# KiCad board DIP8breakout+potToUSB.kicad_pcb (continued)
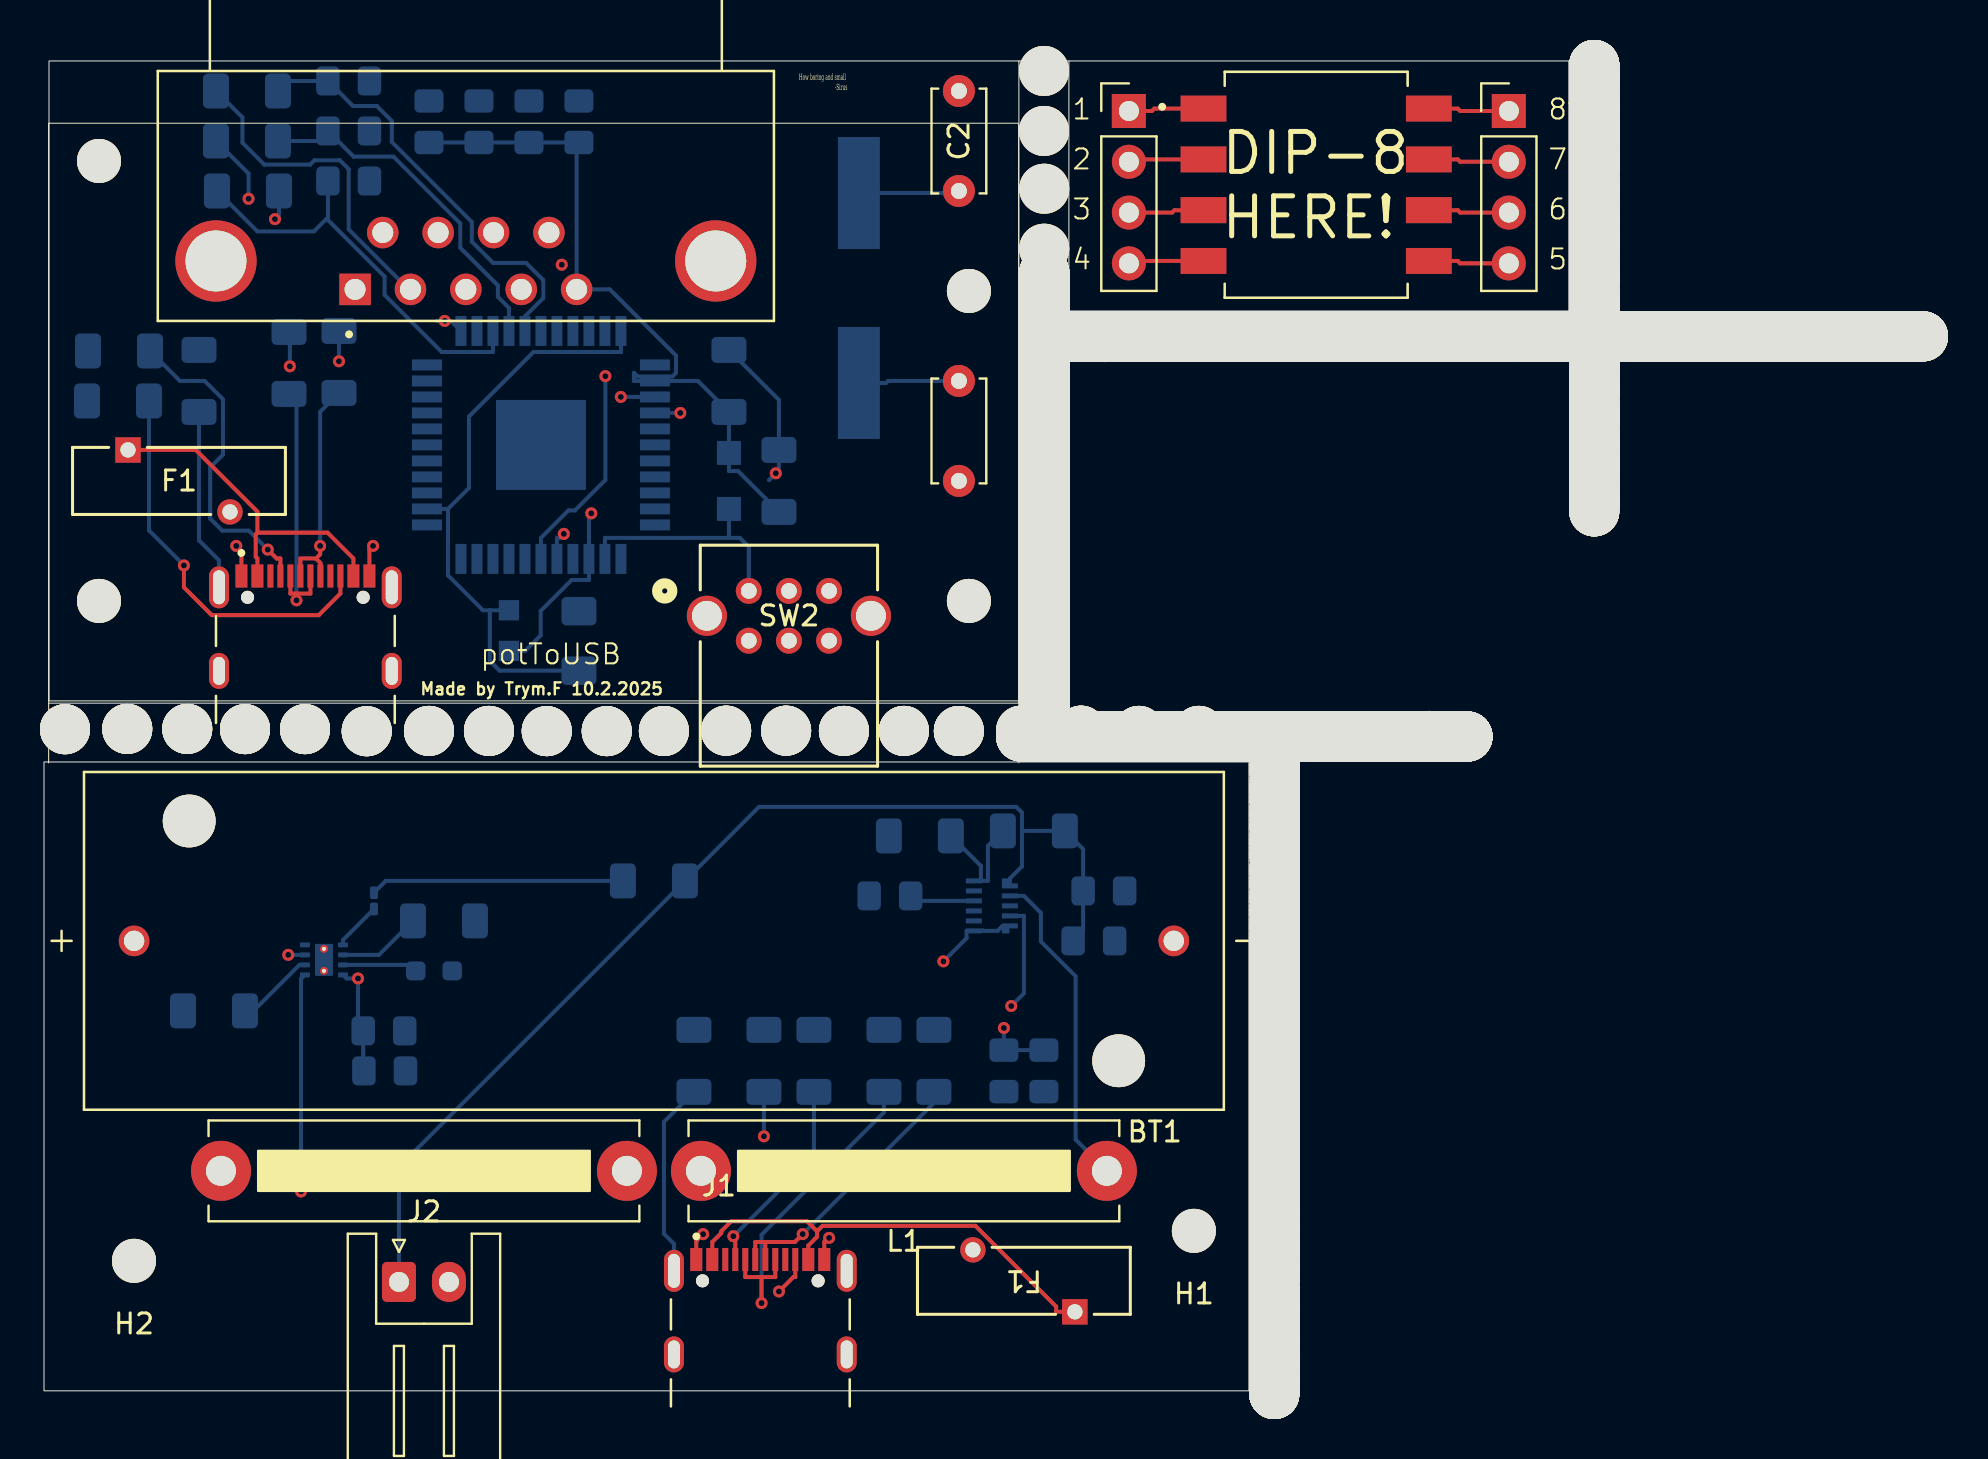
[diagram p0: board, top side]
## Placement (name value [footprint] x y rotation side) (continued)
H10#237  MountingHole  [MountingHole_2.5mm]  61.55 27.17 180 bottom
H10#238  MountingHole  [MountingHole_2.5mm]  61.52 5.06 0 bottom
H10#239  MountingHole  [MountingHole_2.5mm]  50.02 37.75 180 bottom
H10#240  MountingHole  [MountingHole_2.5mm]  77.52 49 180 bottom
H10#241  MountingHole  [MountingHole_2.5mm]  50.02 50.27 180 bottom
H10#242  MountingHole  [MountingHole_2.5mm]  77.52 55.44 180 bottom
H10#243  MountingHole  [MountingHole_2.5mm]  58.36 52.73 270 bottom
H10#244  MountingHole  [MountingHole_2.5mm]  61.55 9.81 180 bottom
H10#245  MountingHole  [MountingHole_2.5mm]  60.98 32.72 90 bottom
H10#246  MountingHole  [MountingHole_2.5mm]  73.44 52.73 270 bottom
H10#247  MountingHole  [MountingHole_2.5mm]  59.52 32.72 90 bottom
H10#248  MountingHole  [MountingHole_2.5mm]  68.92 32.72 90 bottom
H10#249  MountingHole  [MountingHole_2.5mm]  62.38 32.72 90 bottom
H10#250  MountingHole  [MountingHole_2.5mm]  54.74 52.73 270 bottom
H10#251  MountingHole  [MountingHole_2.5mm]  50.02 39.23 180 bottom
H10#252  MountingHole  [MountingHole_2.5mm]  61.52 7.94 0 bottom
H10#253  MountingHole  [MountingHole_2.5mm]  74.3 52.73 270 bottom
H10#254  MountingHole  [MountingHole_2.5mm]  49.72 32.72 90 bottom
H10#255  MountingHole  [MountingHole_2.5mm]  50.02 36.05 180 bottom
H10#256  MountingHole  [MountingHole_2.5mm]  77.52 58.86 180 bottom
H10#257  MountingHole  [MountingHole_2.5mm]  61.52 8.9 0 bottom
H10#258  MountingHole  [MountingHole_2.5mm]  64.28 32.72 90 bottom
H10#259  MountingHole  [MountingHole_2.5mm]  50.02 45.25 180 bottom
H10#260  MountingHole  [MountingHole_2.5mm]  77.52 51.22 180 bottom
H10#261  MountingHole  [MountingHole_2.5mm]  61.55 17.25 180 bottom
H10#262  MountingHole  [MountingHole_2.5mm]  65.54 52.73 270 bottom
H10#263  MountingHole  [MountingHole_2.5mm]  72.04 52.73 270 bottom
H10#264  MountingHole  [MountingHole_2.5mm]  61.55 26.71 180 bottom
H10#265  MountingHole  [MountingHole_2.5mm]  77.52 61.08 180 bottom
H10#266  MountingHole  [MountingHole_2.5mm]  50.02 46.45 180 bottom
H10#267  MountingHole  [MountingHole_2.5mm]  71.84 52.73 270 bottom
H10#268  MountingHole  [MountingHole_2.5mm]  61.52 7.28 0 bottom
H10#269  MountingHole  [MountingHole_2.5mm]  50.02 50.07 180 bottom
H10#270  MountingHole  [MountingHole_2.5mm]  63.54 32.72 90 bottom
H10#271  MountingHole  [MountingHole_2.5mm]  61.52 4.2 0 bottom
H10#272  MountingHole  [MountingHole_2.5mm]  61.55 25.89 180 bottom
H10#273  MountingHole  [MountingHole_2.5mm]  53.88 32.72 90 bottom
H10#274  MountingHole  [MountingHole_2.5mm]  63.74 32.72 90 bottom
H10#275  MountingHole  [MountingHole_2.5mm]  69.38 32.72 90 bottom
H10#276  MountingHole  [MountingHole_2.5mm]  58.02 52.73 270 bottom
H10#277  MountingHole  [MountingHole_2.5mm]  50.02 40.29 180 bottom
H10#278  MountingHole  [MountingHole_2.5mm]  61.55 18.87 180 bottom
H10#279  MountingHole  [MountingHole_2.5mm]  86.72 52.73 270 bottom
H10#280  MountingHole  [MountingHole_2.5mm]  61.55 21.73 180 bottom
H10#281  MountingHole  [MountingHole_2.5mm]  50.02 33.79 180 bottom
H10#282  MountingHole  [MountingHole_2.5mm]  61.52 7.74 0 bottom
H10#283  MountingHole  [MountingHole_2.5mm]  63.24 52.73 270 bottom
H10#284  MountingHole  [MountingHole_2.5mm]  50.02 45.25 180 bottom
H10#285  MountingHole  [MountingHole_2.5mm]  68.42 52.73 270 bottom
H10#286  MountingHole  [MountingHole_2.5mm]  90.6 52.73 270 bottom
H10#287  MountingHole  [MountingHole_2.5mm]  59.52 52.73 270 bottom
H10#288  MountingHole  [MountingHole_2.5mm]  61.52 6.34 0 bottom
H10#289  MountingHole  [MountingHole_2.5mm]  54.7 32.72 90 bottom
H10#290  MountingHole  [MountingHole_2.5mm]  77.52 61.48 180 bottom
H10#291  MountingHole  [MountingHole_2.5mm]  61.52 2.3 0 bottom
H10#292  MountingHole  [MountingHole_2.5mm]  59.32 32.72 90 bottom
H10#293  MountingHole  [MountingHole_2.5mm]  60.58 52.73 270 bottom
H10#294  MountingHole  [MountingHole_2.5mm]  61.52 10.7 0 bottom
H10#295  MountingHole  [MountingHole_2.5mm]  76 52.73 270 bottom
H10#296  MountingHole  [MountingHole_2.5mm]  77.52 53.98 180 bottom
H10#297  MountingHole  [MountingHole_2.5mm]  61.55 10.67 180 bottom
H10#298  MountingHole  [MountingHole_2.5mm]  78.14 52.73 270 bottom
H10#299  MountingHole  [MountingHole_2.5mm]  61.52 20.56 0 bottom
H10#300  MountingHole  [MountingHole_2.5mm]  61.55 18.21 180 bottom
H10#301  MountingHole  [MountingHole_2.5mm]  67.8 52.73 270 bottom
H10#302  MountingHole  [MountingHole_2.5mm]  61.55 28.31 180 bottom
H10#303  MountingHole  [MountingHole_2.5mm]  67.36 32.72 90 bottom
H10#304  MountingHole  [MountingHole_2.5mm]  70.32 32.72 90 bottom
H10#305  MountingHole  [MountingHole_2.5mm]  92.36 52.73 270 bottom
H10#306  MountingHole  [MountingHole_2.5mm]  50.02 33.79 180 bottom
H10#307  MountingHole  [MountingHole_2.5mm]  59.22 52.73 270 bottom
H10#308  MountingHole  [MountingHole_2.5mm]  61.55 19.81 180 bottom
H10#309  MountingHole  [MountingHole_2.5mm]  91.96 52.73 270 bottom
H10#310  MountingHole  [MountingHole_2.5mm]  79.54 52.73 270 bottom
H10#311  MountingHole  [MountingHole_2.5mm]  88.94 52.73 270 bottom
H10#312  MountingHole  [MountingHole_2.5mm]  59.06 32.72 90 bottom
H10#313  MountingHole  [MountingHole_2.5mm]  61.52 19 0 bottom
H10#314  MountingHole  [MountingHole_2.5mm]  28.14 32.99 90 bottom
H10#315  MountingHole  [MountingHole_2.5mm]  61.52 6.54 0 bottom
H10#316  MountingHole  [MountingHole_2.5mm]  52.68 32.72 90 bottom
H10#317  MountingHole  [MountingHole_2.5mm]  61.52 15.46 0 bottom
H10#318  MountingHole  [MountingHole_2.5mm]  70.78 32.72 90 bottom
H10#319  MountingHole  [MountingHole_2.5mm]  66.54 52.73 270 bottom
H10#320  MountingHole  [MountingHole_2.5mm]  67.16 32.72 90 bottom
H10#321  MountingHole  [MountingHole_2.5mm]  70.98 32.72 90 bottom
H10#322  MountingHole  [MountingHole_2.5mm]  61.55 30.87 180 bottom
H10#323  MountingHole  [MountingHole_2.5mm]  50.02 41.69 180 bottom
H10#324  MountingHole  [MountingHole_2.5mm]  61.55 23.13 180 bottom
H10#325  MountingHole  [MountingHole_2.5mm]  86.06 52.73 270 bottom
H10#326  MountingHole  [MountingHole_2.5mm]  62.58 52.73 270 bottom
H10#327  MountingHole  [MountingHole_2.5mm]  77.52 57.3 180 bottom
H10#328  MountingHole  [MountingHole_2.5mm]  61.55 18.41 180 bottom
H10#329  MountingHole  [MountingHole_2.5mm]  61.52 18 0 bottom
H10#330  MountingHole  [MountingHole_2.5mm]  77.52 48.14 180 bottom
H10#331  MountingHole  [MountingHole_2.5mm]  77.52 63.64 180 bottom
H10#332  MountingHole  [MountingHole_2.5mm]  70.12 32.72 90 bottom
H10#333  MountingHole  [MountingHole_2.5mm]  72.5 52.73 270 bottom
H10#334  MountingHole  [MountingHole_2.5mm]  43 33 90 bottom
H10#335  MountingHole  [MountingHole_2.5mm]  85.36 52.73 270 bottom
H10#336  MountingHole  [MountingHole_2.5mm]  50.02 40.63 180 bottom
H10#337  MountingHole  [MountingHole_2.5mm]  87.46 52.73 270 bottom
H10#338  MountingHole  [MountingHole_2.5mm]  61.52 8.24 0 bottom
H10#339  MountingHole  [MountingHole_2.5mm]  61.52 18.8 0 bottom
H10#340  MountingHole  [MountingHole_2.5mm]  54.08 52.73 270 bottom
H10#341  MountingHole  [MountingHole_2.5mm]  50.02 51.35 180 bottom
H10#342  MountingHole  [MountingHole_2.5mm]  61.55 10.47 180 bottom
H10#343  MountingHole  [MountingHole_2.5mm]  50.02 38.81 180 bottom
H10#344  MountingHole  [MountingHole_2.5mm]  77.52 45.58 180 bottom
H10#345  MountingHole  [MountingHole_2.5mm]  77.52 57.7 180 bottom
H10#346  MountingHole  [MountingHole_2.5mm]  77.52 48.34 180 bottom
H10#347  MountingHole  [MountingHole_2.5mm]  50.02 52.09 180 bottom
H10#348  MountingHole  [MountingHole_2.5mm]  91.5 52.73 270 bottom
H10#349  MountingHole  [MountingHole_2.5mm]  61.52 12.9 0 bottom
H10#350  MountingHole  [MountingHole_2.5mm]  57.66 32.72 90 bottom
H10#351  MountingHole  [MountingHole_2.5mm]  63.08 32.72 90 bottom
H10#352  MountingHole  [MountingHole_2.5mm]  50.02 55.05 180 bottom
H10#353  MountingHole  [MountingHole_2.5mm]  77.52 61.94 180 bottom
H10#354  MountingHole  [MountingHole_2.5mm]  77.52 51.42 180 bottom
H10#355  MountingHole  [MountingHole_2.5mm]  61.55 16.85 180 bottom
H10#356  MountingHole  [MountingHole_2.5mm]  61.55 30.33 180 bottom
H10#357  MountingHole  [MountingHole_2.5mm]  50.02 54.31 180 bottom
H10#358  MountingHole  [MountingHole_2.5mm]  50.02 48.47 180 bottom
H10#359  MountingHole  [MountingHole_2.5mm]  77.52 50.48 180 bottom
H10#360  MountingHole  [MountingHole_2.5mm]  77.52 53.98 180 bottom
H10#361  MountingHole  [MountingHole_2.5mm]  50.02 55.71 180 bottom
H10#362  MountingHole  [MountingHole_2.5mm]  61.55 11.61 180 bottom
H10#363  MountingHole  [MountingHole_2.5mm]  77.52 59.6 180 bottom
H10#364  MountingHole  [MountingHole_2.5mm]  85.66 52.73 270 bottom
H10#365  MountingHole  [MountingHole_2.5mm]  55.88 52.73 270 bottom
H10#366  MountingHole  [MountingHole_2.5mm]  77.52 60.88 180 bottom
H10#367  MountingHole  [MountingHole_2.5mm]  61.52 4.86 0 bottom
H10#368  MountingHole  [MountingHole_2.5mm]  61.52 2.3 0 bottom
H10#369  MountingHole  [MountingHole_2.5mm]  61.55 13.77 180 bottom
H10#370  MountingHole  [MountingHole_2.5mm]  76.86 52.73 270 bottom
H10#371  MountingHole  [MountingHole_2.5mm]  86.72 52.73 270 bottom
H10#372  MountingHole  [MountingHole_2.5mm]  56.14 52.73 270 bottom
H10#373  MountingHole  [MountingHole_2.5mm]  91 52.73 270 bottom
H10#374  MountingHole  [MountingHole_2.5mm]  85.86 52.73 270 bottom
H10#375  MountingHole  [MountingHole_2.5mm]  61.55 11.87 180 bottom
H10#376  MountingHole  [MountingHole_2.5mm]  61.52 7.48 0 bottom
H10#377  MountingHole  [MountingHole_2.5mm]  61.52 18.54 0 bottom
H10#378  MountingHole  [MountingHole_2.5mm]  72.38 52.73 270 bottom
H10#379  MountingHole  [MountingHole_2.5mm]  87.72 52.73 270 bottom
H10#380  MountingHole  [MountingHole_2.5mm]  62.58 32.72 90 bottom
H10#381  MountingHole  [MountingHole_2.5mm]  50.02 49.01 180 bottom
H10#382  MountingHole  [MountingHole_2.5mm]  61.55 26.29 180 bottom
H10#383  MountingHole  [MountingHole_2.5mm]  61.52 12.16 0 bottom
H10#384  MountingHole  [MountingHole_2.5mm]  63.28 32.72 90 bottom
H10#385  MountingHole  [MountingHole_2.5mm]  91.2 52.73 270 bottom
H10#386  MountingHole  [MountingHole_2.5mm]  92.36 52.73 270 bottom
H10#387  MountingHole  [MountingHole_2.5mm]  63.64 52.73 270 bottom
H10#388  MountingHole  [MountingHole_2.5mm]  52.72 52.73 270 bottom
H10#389  MountingHole  [MountingHole_2.5mm]  61.55 23.13 180 bottom
H10#390  MountingHole  [MountingHole_2.5mm]  89.94 52.73 270 bottom
H10#391  MountingHole  [MountingHole_2.5mm]  50.02 36.55 180 bottom
H10#392  MountingHole  [MountingHole_2.5mm]  61.55 24.23 180 bottom
H10#393  MountingHole  [MountingHole_2.5mm]  61.52 18.74 0 bottom
H10#394  MountingHole  [MountingHole_2.5mm]  50.02 43.05 180 bottom
H10#395  MountingHole  [MountingHole_2.5mm]  61.55 31.27 180 bottom
H10#396  MountingHole  [MountingHole_2.5mm]  50.02 37.21 180 bottom
H10#397  MountingHole  [MountingHole_2.5mm]  61.55 15.91 180 bottom
H10#398  MountingHole  [MountingHole_2.5mm]  52.92 52.73 270 bottom
H10#399  MountingHole  [MountingHole_2.5mm]  50.02 53.65 180 bottom
H10#400  MountingHole  [MountingHole_2.5mm]  61.55 11.21 180 bottom
H10#401  MountingHole  [MountingHole_2.5mm]  77.52 48.34 180 bottom
H10#402  MountingHole  [MountingHole_2.5mm]  61.52 21.96 0 bottom
H10#403  MountingHole  [MountingHole_2.5mm]  66.42 32.72 90 bottom
H10#404  MountingHole  [MountingHole_2.5mm]  58.36 52.73 270 bottom
H10#405  MountingHole  [MountingHole_2.5mm]  61.52 16.94 0 bottom
H10#406  MountingHole  [MountingHole_2.5mm]  77.52 57.7 180 bottom
H10#407  MountingHole  [MountingHole_2.5mm]  61.55 16.51 180 bottom
H10#408  MountingHole  [MountingHole_2.5mm]  61.55 18.87 180 bottom
H10#409  MountingHole  [MountingHole_2.5mm]  60.38 52.73 270 bottom
H10#410  MountingHole  [MountingHole_2.5mm]  61.55 12.97 180 bottom
H10#411  MountingHole  [MountingHole_2.5mm]  61.52 16.74 0 bottom
H10#412  MountingHole  [MountingHole_2.5mm]  61.52 0.24 0 bottom
H10#413  MountingHole  [MountingHole_2.5mm]  75.8 52.73 270 bottom
H10#414  MountingHole  [MountingHole_2.5mm]  54.5 32.72 90 bottom
H10#415  MountingHole  [MountingHole_2.5mm]  65.96 32.72 90 bottom
H10#416  MountingHole  [MountingHole_2.5mm]  61.55 23.83 180 bottom
H10#417  MountingHole  [MountingHole_2.5mm]  57.75 33 90 bottom
H10#418  MountingHole  [MountingHole_2.5mm]  50.02 53.25 180 bottom
H10#419  MountingHole  [MountingHole_2.5mm]  61.52 1.44 0 bottom
H10#420  MountingHole  [MountingHole_2.5mm]  76.86 52.73 270 bottom
H10#421  MountingHole  [MountingHole_2.5mm]  77.52 65.44 180 bottom
H10#422  MountingHole  [MountingHole_2.5mm]  61.55 10.01 180 bottom
H10#423  MountingHole  [MountingHole_2.5mm]  61.52 3.46 0 bottom
H10#424  MountingHole  [MountingHole_2.5mm]  64.48 32.72 90 bottom
H10#425  MountingHole  [MountingHole_2.5mm]  64.18 52.73 270 bottom
H10#426  MountingHole  [MountingHole_2.5mm]  50.02 43.39 180 bottom
H10#427  MountingHole  [MountingHole_2.5mm]  77.52 51.62 180 bottom
H10#428  MountingHole  [MountingHole_2.5mm]  61.52 20.1 0 bottom
H10#429  MountingHole  [MountingHole_2.5mm]  50.02 35.19 180 bottom
H10#430  MountingHole  [MountingHole_2.5mm]  77.52 47.8 180 bottom
H10#431  MountingHole  [MountingHole_2.5mm]  54.08 32.72 90 bottom
H10#432  MountingHole  [MountingHole_2.5mm]  56.5 32.72 90 bottom
H10#433  MountingHole  [MountingHole_2.5mm]  61.55 19.61 180 bottom
H10#434  MountingHole  [MountingHole_2.5mm]  61.52 7.08 0 bottom
H10#435  MountingHole  [MountingHole_2.5mm]  61.55 20.07 180 bottom
H10#436  MountingHole  [MountingHole_2.5mm]  61.52 14.92 0 bottom
H10#437  MountingHole  [MountingHole_2.5mm]  61.52 9.1 0 bottom
H10#438  MountingHole  [MountingHole_2.5mm]  71.84 52.73 270 bottom
H10#439  MountingHole  [MountingHole_2.5mm]  61.55 27.11 180 bottom
H10#440  MountingHole  [MountingHole_2.5mm]  61.55 14.63 180 bottom
H10#441  MountingHole  [MountingHole_2.5mm]  50.02 34.45 180 bottom
H10#442  MountingHole  [MountingHole_2.5mm]  61.55 23.53 180 bottom
H10#443  MountingHole  [MountingHole_2.5mm]  54.28 52.73 270 bottom
H10#444  MountingHole  [MountingHole_2.5mm]  61.52 10.04 0 bottom
H10#445  MountingHole  [MountingHole_2.5mm]  55.56 32.72 90 bottom
H10#446  MountingHole  [MountingHole_2.5mm]  50.02 43.05 180 bottom
H10#447  MountingHole  [MountingHole_2.5mm]  54.28 52.73 270 bottom
H10#448  MountingHole  [MountingHole_2.5mm]  79.08 52.73 270 bottom
H10#449  MountingHole  [MountingHole_2.5mm]  81.1 52.73 270 bottom
H10#450  MountingHole  [MountingHole_2.5mm]  78.14 52.73 270 bottom
H10#451  MountingHole  [MountingHole_2.5mm]  63.44 52.73 270 bottom
H10#452  MountingHole  [MountingHole_2.5mm]  61.52 19.9 0 bottom
H10#453  MountingHole  [MountingHole_2.5mm]  52.18 52.73 270 bottom
H10#454  MountingHole  [MountingHole_2.5mm]  65.96 32.72 90 bottom
H10#455  MountingHole  [MountingHole_2.5mm]  50.02 53.45 180 bottom
H10#456  MountingHole  [MountingHole_2.5mm]  65.54 32.72 90 bottom
H10#457  MountingHole  [MountingHole_2.5mm]  52.02 32.72 90 bottom
H10#458  MountingHole  [MountingHole_2.5mm]  68.72 32.72 90 bottom
H10#459  MountingHole  [MountingHole_2.5mm]  61.55 21.07 180 bottom
H10#460  MountingHole  [MountingHole_2.5mm]  77.52 46.24 180 bottom
H10#461  MountingHole  [MountingHole_2.5mm]  77.52 61.74 180 bottom
H10#462  MountingHole  [MountingHole_2.5mm]  81.84 52.73 270 bottom
H10#463  MountingHole  [MountingHole_2.5mm]  61.55 29.67 180 bottom
H10#464  MountingHole  [MountingHole_2.5mm]  77.52 46.44 180 bottom
H10#465  MountingHole  [MountingHole_2.5mm]  61.55 29.27 180 bottom
H10#466  MountingHole  [MountingHole_2.5mm]  63.98 52.73 270 bottom
H10#467  MountingHole  [MountingHole_2.5mm]  61.55 16.85 180 bottom
H10#468  MountingHole  [MountingHole_2.5mm]  50.02 42.85 180 bottom
H10#469  MountingHole  [MountingHole_2.5mm]  61.55 27.77 180 bottom
H10#470  MountingHole  [MountingHole_2.5mm]  74.6 52.73 270 bottom
H10#471  MountingHole  [MountingHole_2.5mm]  59.92 52.73 270 bottom
H10#472  MountingHole  [MountingHole_2.5mm]  77.52 49 180 bottom
H10#473  MountingHole  [MountingHole_2.5mm]  61.55 21.47 180 bottom
H10#474  MountingHole  [MountingHole_2.5mm]  71.18 52.73 270 bottom
H10#475  MountingHole  [MountingHole_2.5mm]  62.12 32.72 90 bottom
H10#476  MountingHole  [MountingHole_2.5mm]  80.9 52.73 270 bottom
H10#477  MountingHole  [MountingHole_2.5mm]  69.12 32.72 90 bottom
H10#478  MountingHole  [MountingHole_2.5mm]  50.02 36.75 180 bottom
H10#479  MountingHole  [MountingHole_2.5mm]  77.52 57.7 180 bottom
H10#480  MountingHole  [MountingHole_2.5mm]  61.55 29.87 180 bottom
H10#481  MountingHole  [MountingHole_2.5mm]  56.14 52.73 270 bottom
H10#482  MountingHole  [MountingHole_2.5mm]  93.56 52.73 270 bottom
H10#483  MountingHole  [MountingHole_2.5mm]  61.52 10.3 0 bottom
H10#484  MountingHole  [MountingHole_2.5mm]  51.12 32.72 90 bottom
H10#485  MountingHole  [MountingHole_2.5mm]  56.96 32.72 90 bottom
H10#486  MountingHole  [MountingHole_2.5mm]  73.44 52.73 270 bottom
H10#487  MountingHole  [MountingHole_2.5mm]  63.74 32.72 90 bottom
H10#488  MountingHole  [MountingHole_2.5mm]  54.94 52.73 270 bottom
H10#489  MountingHole  [MountingHole_2.5mm]  86.26 52.73 270 bottom
H10#490  MountingHole  [MountingHole_2.5mm]  67.6 52.73 270 bottom
H10#491  MountingHole  [MountingHole_2.5mm]  77.52 45.04 180 bottom
H10#492  MountingHole  [MountingHole_2.5mm]  61.55 11.67 180 bottom
H10#493  MountingHole  [MountingHole_2.5mm]  61.52 3 0 bottom
H10#494  MountingHole  [MountingHole_2.5mm]  77.52 52.28 180 bottom
H10#495  MountingHole  [MountingHole_2.5mm]  72.04 52.73 270 bottom
H10#496  MountingHole  [MountingHole_2.5mm]  61.55 22.27 180 bottom
H10#497  MountingHole  [MountingHole_2.5mm]  62.18 52.73 270 bottom
H10#498  MountingHole  [MountingHole_2.5mm]  61.55 10.67 180 bottom
H10#499  MountingHole  [MountingHole_2.5mm]  81.3 52.73 270 bottom
H10#500  MountingHole  [MountingHole_2.5mm]  64.38 52.73 270 bottom
H10#501  MountingHole  [MountingHole_2.5mm]  50.02 49.21 180 bottom
H10#502  MountingHole  [MountingHole_2.5mm]  77.52 44.18 180 bottom
H10#503  MountingHole  [MountingHole_2.5mm]  77.52 58.2 180 bottom
H10#504  MountingHole  [MountingHole_2.5mm]  70.48 52.73 270 bottom
H10#505  MountingHole  [MountingHole_2.5mm]  61.52 14.72 0 bottom
H10#506  MountingHole  [MountingHole_2.5mm]  61.52 14.26 0 bottom
H10#507  MountingHole  [MountingHole_2.5mm]  90.34 52.73 270 bottom
H10#508  MountingHole  [MountingHole_2.5mm]  61.55 11.21 180 bottom
H10#509  MountingHole  [MountingHole_2.5mm]  61.55 16.11 180 bottom
H10#510  MountingHole  [MountingHole_2.5mm]  56.34 52.73 270 bottom
H10#511  MountingHole  [MountingHole_2.5mm]  77.52 53.24 180 bottom
H10#512  MountingHole  [MountingHole_2.5mm]  70.52 32.72 90 bottom
H10#513  MountingHole  [MountingHole_2.5mm]  50.02 39.63 180 bottom
H10#514  MountingHole  [MountingHole_2.5mm]  77.52 55.9 180 bottom
H10#515  MountingHole  [MountingHole_2.5mm]  61.52 19.7 0 bottom
H10#516  MountingHole  [MountingHole_2.5mm]  80.44 52.73 270 bottom
H10#517  MountingHole  [MountingHole_2.5mm]  63.28 32.72 90 bottom
H10#518  MountingHole  [MountingHole_2.5mm]  72.38 52.73 270 bottom
H10#519  MountingHole  [MountingHole_2.5mm]  63.98 52.73 270 bottom
H10#520  MountingHole  [MountingHole_2.5mm]  50.86 32.72 90 bottom
H10#521  MountingHole  [MountingHole_2.5mm]  70.32 32.72 90 bottom
H10#522  MountingHole  [MountingHole_2.5mm]  92.9 52.73 270 bottom
H10#523  MountingHole  [MountingHole_2.5mm]  61.52 2.8 0 bottom
H10#524  MountingHole  [MountingHole_2.5mm]  61.55 24.49 180 bottom
H10#525  MountingHole  [MountingHole_2.5mm]  61.55 10.21 180 bottom
H10#526  MountingHole  [MountingHole_2.5mm]  61.55 18.41 180 bottom
H10#527  MountingHole  [MountingHole_2.5mm]  63.24 52.73 270 bottom
H10#528  MountingHole  [MountingHole_2.5mm]  77.52 51.22 180 bottom
H10#529  MountingHole  [MountingHole_2.5mm]  81.64 52.73 270 bottom
H10#530  MountingHole  [MountingHole_2.5mm]  61.52 4.2 0 bottom
H10#531  MountingHole  [MountingHole_2.5mm]  57.26 32.72 90 bottom
H10#532  MountingHole  [MountingHole_2.5mm]  58.16 52.73 270 bottom
H10#533  MountingHole  [MountingHole_2.5mm]  61.92 32.72 90 bottom
H10#534  MountingHole  [MountingHole_2.5mm]  52.22 32.72 90 bottom
H10#535  MountingHole  [MountingHole_2.5mm]  61.55 26.09 180 bottom
H10#536  MountingHole  [MountingHole_2.5mm]  61.55 13.97 180 bottom
H10#537  MountingHole  [MountingHole_2.5mm]  61.52 4.4 0 bottom
H10#538  MountingHole  [MountingHole_2.5mm]  54.08 32.72 90 bottom
H10#539  MountingHole  [MountingHole_2.5mm]  61.52 3.86 0 bottom
H10#540  MountingHole  [MountingHole_2.5mm]  77.52 58.4 180 bottom
H10#541  MountingHole  [MountingHole_2.5mm]  67.56 32.72 90 bottom
H10#542  MountingHole  [MountingHole_2.5mm]  61.52 14.06 0 bottom
H10#543  MountingHole  [MountingHole_2.5mm]  50.02 47.81 180 bottom
H10#544  MountingHole  [MountingHole_2.5mm]  66.94 52.73 270 bottom
H10#545  MountingHole  [MountingHole_2.5mm]  75.06 52.73 270 bottom
H10#546  MountingHole  [MountingHole_2.5mm]  50.02 49.67 180 bottom
H10#547  MountingHole  [MountingHole_2.5mm]  61.55 19.61 180 bottom
H10#548  MountingHole  [MountingHole_2.5mm]  50.02 52.95 180 bottom
H10#549  MountingHole  [MountingHole_2.5mm]  61.52 4.4 0 bottom
H10#550  MountingHole  [MountingHole_2.5mm]  61.52 3.66 0 bottom
H10#551  MountingHole  [MountingHole_2.5mm]  70.68 52.73 270 bottom
H10#552  MountingHole  [MountingHole_2.5mm]  61.52 14.26 0 bottom
H10#553  MountingHole  [MountingHole_2.5mm]  77.52 45.78 180 bottom
H10#554  MountingHole  [MountingHole_2.5mm]  77.68 52.73 270 bottom
H10#555  MountingHole  [MountingHole_2.5mm]  81.84 52.73 270 bottom
H10#556  MountingHole  [MountingHole_2.5mm]  50.02 33.59 180 bottom
H10#557  MountingHole  [MountingHole_2.5mm]  77.52 63.34 180 bottom
H10#558  MountingHole  [MountingHole_2.5mm]  71.44 52.73 270 bottom
H10#559  MountingHole  [MountingHole_2.5mm]  61.55 19.07 180 bottom
H10#560  MountingHole  [MountingHole_2.5mm]  50.02 47.81 180 bottom
H10#561  MountingHole  [MountingHole_2.5mm]  77.52 50.02 180 bottom
H10#562  MountingHole  [MountingHole_2.5mm]  61.52 5.88 0 bottom
H10#563  MountingHole  [MountingHole_2.5mm]  50.02 55.51 180 bottom
H10#564  MountingHole  [MountingHole_2.5mm]  50.02 38.81 180 bottom
H10#565  MountingHole  [MountingHole_2.5mm]  92.7 52.73 270 bottom
H10#566  MountingHole  [MountingHole_2.5mm]  61.55 26.09 180 bottom
H10#567  MountingHole  [MountingHole_2.5mm]  64.68 32.72 90 bottom
H10#568  MountingHole  [MountingHole_2.5mm]  61.52 13.16 0 bottom
H10#569  MountingHole  [MountingHole_2.5mm]  61.52 17.14 0 bottom
H10#570  MountingHole  [MountingHole_2.5mm]  77.52 54.38 180 bottom
H10#571  MountingHole  [MountingHole_2.5mm]  77.52 49.82 180 bottom
H10#572  MountingHole  [MountingHole_2.5mm]  62.38 52.73 270 bottom
H10#573  MountingHole  [MountingHole_2.5mm]  61.52 12.7 0 bottom
H10#574  MountingHole  [MountingHole_2.5mm]  77.52 59.8 180 bottom
H10#575  MountingHole  [MountingHole_2.5mm]  61.52 10.04 0 bottom
H10#576  MountingHole  [MountingHole_2.5mm]  88.94 52.73 270 bottom
H10#577  MountingHole  [MountingHole_2.5mm]  73.7 52.73 270 bottom
H10#578  MountingHole  [MountingHole_2.5mm]  80.44 52.73 270 bottom
H10#579  MountingHole  [MountingHole_2.5mm]  56.96 52.73 270 bottom
H10#580  MountingHole  [MountingHole_2.5mm]  50.02 36.35 180 bottom
H10#581  MountingHole  [MountingHole_2.5mm]  70.58 32.72 90 bottom
H10#582  MountingHole  [MountingHole_2.5mm]  61.55 30.53 180 bottom
H10#583  MountingHole  [MountingHole_2.5mm]  77.52 63.34 180 bottom
H10#584  MountingHole  [MountingHole_2.5mm]  50.02 42.39 180 bottom
H10#585  MountingHole  [MountingHole_2.5mm]  61.55 29.67 180 bottom
H10#586  MountingHole  [MountingHole_2.5mm]  93.36 52.73 270 bottom
H10#587  MountingHole  [MountingHole_2.5mm]  50.02 52.95 180 bottom
H10#588  MountingHole  [MountingHole_2.5mm]  61.52 11.96 0 bottom
H10#589  MountingHole  [MountingHole_2.5mm]  88.74 52.73 270 bottom
H10#590  MountingHole  [MountingHole_2.5mm]  50.02 41.49 180 bottom
H10#591  MountingHole  [MountingHole_2.5mm]  50.02 33.79 180 bottom
H10#592  MountingHole  [MountingHole_2.5mm]  50.02 34.65 180 bottom
H10#593  MountingHole  [MountingHole_2.5mm]  77.52 44.18 180 bottom
H10#594  MountingHole  [MountingHole_2.5mm]  50.02 38.35 180 bottom
H10#595  MountingHole  [MountingHole_2.5mm]  50.02 52.29 180 bottom
H10#596  MountingHole  [MountingHole_2.5mm]  77.52 56.84 180 bottom
H10#597  MountingHole  [MountingHole_2.5mm]  61.55 19.61 180 bottom
H10#598  MountingHole  [MountingHole_2.5mm]  77.52 44.58 180 bottom
H10#599  MountingHole  [MountingHole_2.5mm]  50.02 42.85 180 bottom
H10#600  MountingHole  [MountingHole_2.5mm]  61.55 13.63 180 bottom
H10#601  MountingHole  [MountingHole_2.5mm]  77.52 66.1 180 bottom
H10#602  MountingHole  [MountingHole_2.5mm]  69.38 32.72 90 bottom
H10#603  MountingHole  [MountingHole_2.5mm]  52.52 52.73 270 bottom
H10#604  MountingHole  [MountingHole_2.5mm]  50.02 52.55 180 bottom
H10#605  MountingHole  [MountingHole_2.5mm]  77.52 52.38 180 bottom
H10#606  MountingHole  [MountingHole_2.5mm]  50.02 50.89 180 bottom
H10#607  MountingHole  [MountingHole_2.5mm]  50.02 39.83 180 bottom
H10#608  MountingHole  [MountingHole_2.5mm]  52.68 32.72 90 bottom
H10#609  MountingHole  [MountingHole_2.5mm]  57.82 52.73 270 bottom
H10#610  MountingHole  [MountingHole_2.5mm]  50.02 54.11 180 bottom
H10#611  MountingHole  [MountingHole_2.5mm]  67.6 52.73 270 bottom
H10#612  MountingHole  [MountingHole_2.5mm]  61.55 12.57 180 bottom
H10#613  MountingHole  [MountingHole_2.5mm]  51.12 52.73 270 bottom
H10#614  MountingHole  [MountingHole_2.5mm]  84.3 52.73 270 bottom
H10#615  MountingHole  [MountingHole_2.5mm]  77.52 51.88 180 bottom
H10#616  MountingHole  [MountingHole_2.5mm]  50.02 52.95 180 bottom
H10#617  MountingHole  [MountingHole_2.5mm]  56.96 52.73 270 bottom
H10#618  MountingHole  [MountingHole_2.5mm]  77.52 65.9 180 bottom
H10#619  MountingHole  [MountingHole_2.5mm]  89.4 52.73 270 bottom
H10#620  MountingHole  [MountingHole_2.5mm]  77.52 49.2 180 bottom
H10#621  MountingHole  [MountingHole_2.5mm]  67.76 32.72 90 bottom
H10#622  MountingHole  [MountingHole_2.5mm]  77.52 61.54 180 bottom
H10#623  MountingHole  [MountingHole_2.5mm]  58.12 32.72 90 bottom
H10#624  MountingHole  [MountingHole_2.5mm]  66.16 32.72 90 bottom
H10#625  MountingHole  [MountingHole_2.5mm]  77.52 54.64 180 bottom
H10#626  MountingHole  [MountingHole_2.5mm]  85.16 52.73 270 bottom
H10#627  MountingHole  [MountingHole_2.5mm]  77.52 60.26 180 bottom
H10#628  MountingHole  [MountingHole_2.5mm]  50.02 46.91 180 bottom
H10#629  MountingHole  [MountingHole_2.5mm]  77.52 61.08 180 bottom
H10#630  MountingHole  [MountingHole_2.5mm]  61.52 18.54 0 bottom
H10#631  MountingHole  [MountingHole_2.5mm]  77.52 55.24 180 bottom
H10#632  MountingHole  [MountingHole_2.5mm]  50.02 45.71 180 bottom
H10#633  MountingHole  [MountingHole_2.5mm]  61.52 12.16 0 bottom
H10#634  MountingHole  [MountingHole_2.5mm]  50.02 55.71 180 bottom
H10#635  MountingHole  [MountingHole_2.5mm]  50.02 35.39 180 bottom
H10#636  MountingHole  [MountingHole_2.5mm]  75.26 52.73 270 bottom
H10#637  MountingHole  [MountingHole_2.5mm]  61.52 10.7 0 bottom
H10#638  MountingHole  [MountingHole_2.5mm]  77.52 66.1 180 bottom
H10#639  MountingHole  [MountingHole_2.5mm]  61.52 0.9 0 bottom
H10#640  MountingHole  [MountingHole_2.5mm]  77.52 55.84 180 bottom
H10#641  MountingHole  [MountingHole_2.5mm]  50.02 54.85 180 bottom
H10#642  MountingHole  [MountingHole_2.5mm]  61.52 2.1 0 bottom
H10#643  MountingHole  [MountingHole_2.5mm]  61.55 14.37 180 bottom
H10#644  MountingHole  [MountingHole_2.5mm]  50.02 35.39 180 bottom
H10#645  MountingHole  [MountingHole_2.5mm]  69.82 52.73 270 bottom
H10#646  MountingHole  [MountingHole_2.5mm]  61.52 17.14 0 bottom
H10#647  MountingHole  [MountingHole_2.5mm]  61.55 27.91 180 bottom
H10#648  MountingHole  [MountingHole_2.5mm]  60.52 32.72 90 bottom
H10#649  MountingHole  [MountingHole_2.5mm]  70.28 52.73 270 bottom
H10#650  MountingHole  [MountingHole_2.5mm]  61.55 18.67 180 bottom
H10#651  MountingHole  [MountingHole_2.5mm]  77.52 59.6 180 bottom
H10#652  MountingHole  [MountingHole_2.5mm]  61.52 22.16 0 bottom
H10#653  MountingHole  [MountingHole_2.5mm]  50.02 40.29 180 bottom
H10#654  MountingHole  [MountingHole_2.5mm]  53.78 52.73 270 bottom
H10#655  MountingHole  [MountingHole_2.5mm]  50.02 48.01 180 bottom
H10#656  MountingHole  [MountingHole_2.5mm]  61.52 1.9 0 bottom
H10#657  MountingHole  [MountingHole_2.5mm]  78.34 52.73 270 bottom
H10#658  MountingHole  [MountingHole_2.5mm]  49.92 32.72 90 bottom
H10#659  MountingHole  [MountingHole_2.5mm]  61.55 13.43 180 bottom
H10#660  MountingHole  [MountingHole_2.5mm]  61.92 32.72 90 bottom
H10#661  MountingHole  [MountingHole_2.5mm]  61.92 32.72 90 bottom
H10#662  MountingHole  [MountingHole_2.5mm]  73.44 52.73 270 bottom
H10#663  MountingHole  [MountingHole_2.5mm]  77.52 56.3 180 bottom
H10#664  MountingHole  [MountingHole_2.5mm]  75.26 52.73 270 bottom
H10#665  MountingHole  [MountingHole_2.5mm]  61.52 14.52 0 bottom
H10#666  MountingHole  [MountingHole_2.5mm]  54.08 32.72 90 bottom
H10#667  MountingHole  [MountingHole_2.5mm]  64.84 52.73 270 bottom
H10#668  MountingHole  [MountingHole_2.5mm]  54.48 52.73 270 bottom
H10#669  MountingHole  [MountingHole_2.5mm]  53.88 52.73 270 bottom
H10#670  MountingHole  [MountingHole_2.5mm]  50.02 53.65 180 bottom
H10#671  MountingHole  [MountingHole_2.5mm]  63.44 52.73 270 bottom
H10#672  MountingHole  [MountingHole_2.5mm]  62.58 52.73 270 bottom
H10#673  MountingHole  [MountingHole_2.5mm]  61.55 28.97 180 bottom
H10#674  MountingHole  [MountingHole_2.5mm]  77.52 46.64 180 bottom
H10#675  MountingHole  [MountingHole_2.5mm]  50.02 52.09 180 bottom
H10#676  MountingHole  [MountingHole_2.5mm]  61.55 12.57 180 bottom
H10#677  MountingHole  [MountingHole_2.5mm]  65.34 32.72 90 bottom
H10#678  MountingHole  [MountingHole_2.5mm]  61.55 13.97 180 bottom
H10#679  MountingHole  [MountingHole_2.5mm]  77.52 45.04 180 bottom
H10#680  MountingHole  [MountingHole_2.5mm]  77.52 52.08 180 bottom
H10#681  MountingHole  [MountingHole_2.5mm]  77.52 44.84 180 bottom
H10#682  MountingHole  [MountingHole_2.5mm]  61.52 15.86 0 bottom
H10#683  MountingHole  [MountingHole_2.5mm]  57.16 52.73 270 bottom
H10#684  MountingHole  [MountingHole_2.5mm]  52.02 32.72 90 bottom
H10#685  MountingHole  [MountingHole_2.5mm]  61.55 21.93 180 bottom
H10#686  MountingHole  [MountingHole_2.5mm]  77.52 57.04 180 bottom
H10#687  MountingHole  [MountingHole_2.5mm]  86.52 52.73 270 bottom
H10#688  MountingHole  [MountingHole_2.5mm]  50.02 34.65 180 bottom
H10#689  MountingHole  [MountingHole_2.5mm]  57.62 52.73 270 bottom
H10#690  MountingHole  [MountingHole_2.5mm]  25.14 32.99 90 bottom
H10#691  MountingHole  [MountingHole_2.5mm]  77.52 48.54 180 bottom
H10#692  MountingHole  [MountingHole_2.5mm]  77.52 53.44 180 bottom
H10#693  MountingHole  [MountingHole_2.5mm]  70.48 52.73 270 bottom
H10#694  MountingHole  [MountingHole_2.5mm]  61.55 14.63 180 bottom
H10#695  MountingHole  [MountingHole_2.5mm]  61.55 16.85 180 bottom
H10#696  MountingHole  [MountingHole_2.5mm]  72.5 52.73 270 bottom
H10#697  MountingHole  [MountingHole_2.5mm]  49.06 32.72 90 bottom
H10#698  MountingHole  [MountingHole_2.5mm]  61.52 4.86 0 bottom
H10#699  MountingHole  [MountingHole_2.5mm]  77.52 61.94 180 bottom
H10#700  MountingHole  [MountingHole_2.5mm]  77.52 50.22 180 bottom
H10#701  MountingHole  [MountingHole_2.5mm]  61.55 25.43 180 bottom
H10#702  MountingHole  [MountingHole_2.5mm]  56.3 32.72 90 bottom
H10#703  MountingHole  [MountingHole_2.5mm]  61.72 32.72 90 bottom
